# KiCad board HPM1500_DDR3_CORE_RevB.kicad_pcb (continued)
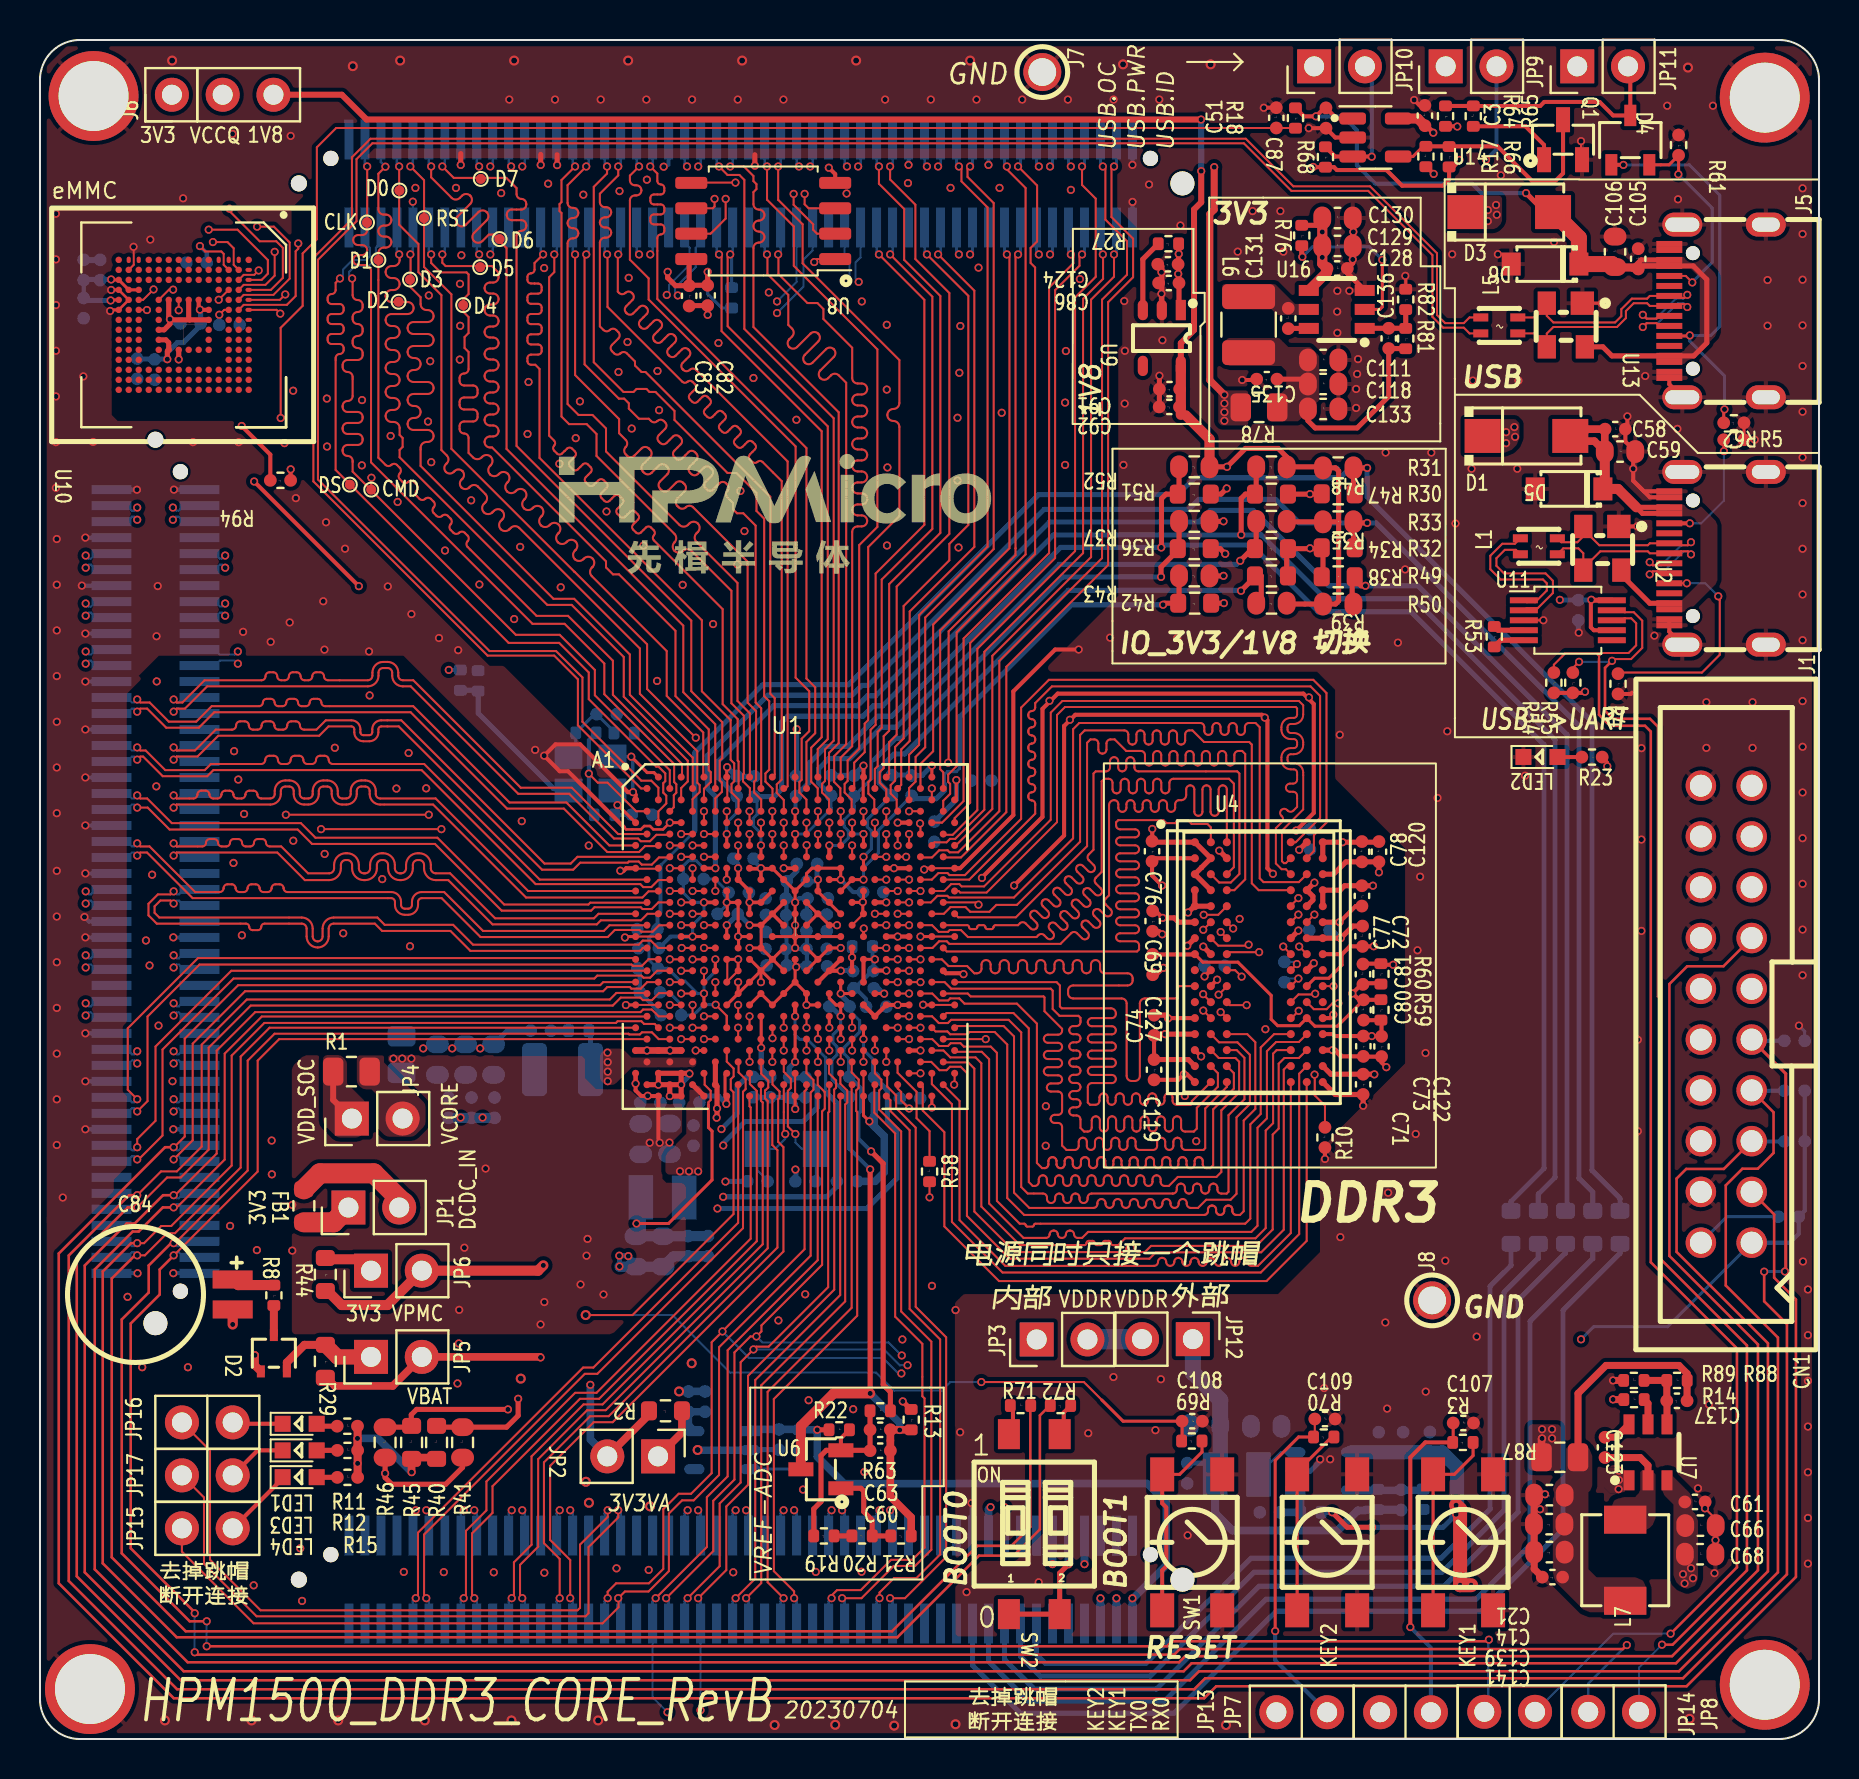
[diagram p0: board, top side]
## Routing (per net, layer and track width the routed paths; a pad name or vN(x,y) marks a point on that pad's centre or on a via; arc(x,y) is an arc through that point) (continued)
/Main/PA26: length 38.5
  Top w0.102: v2(31.5,39) U1.U5
  In2.Cu w0.102: v2(31.5,39) 31.44,39.07 28.66,39.07 28.25,39.48 20.37,39.48 17.71,42.14 15.39,42.14 14.99,42.54 14.04,42.54 arc(13.93,42.5) 13.89,42.39 arc(13.85,42.29) 13.74,42.24 13.49,42.24 arc(13.38,42.29) 13.34,42.39 13.34,42.69 arc(13.3,42.8) 13.19,42.84 12.94,42.84 arc(12.83,42.8) 12.79,42.69 12.79,42.39 arc(12.75,42.29) 12.64,42.24 12.39,42.24 arc(12.28,42.29) 12.24,42.39 12.24,42.69 arc(12.2,42.8) 12.09,42.84 11.84,42.84 arc(11.73,42.8) 11.69,42.69 11.69,42.39 arc(11.65,42.29) 11.54,42.24 11.29,42.24 arc(11.18,42.29) 11.14,42.39 11.14,42.69 arc(11.1,42.8) 10.99,42.84 10.74,42.84 arc(10.63,42.8) 10.59,42.69 10.59,42.39 arc(10.55,42.29) 10.44,42.24 10.19,42.24 arc(10.08,42.29) 10.04,42.39 10.04,42.69 arc(10,42.8) 9.89,42.84 9.64,42.84 arc(9.53,42.8) 9.49,42.69 9.49,42.39 arc(9.45,42.29) 9.34,42.24 9.09,42.24 arc(8.98,42.29) 8.94,42.39 arc(8.9,42.5) 8.79,42.54 8.08,42.54 6.38,40.84 5.15,40.84 2.9,38.6 v2(2.29,38.6)
  Bottom w0.102: v2(2.29,38.6) 2.44,38.75 2.55,38.75 2.8,38.5 J2.62
/Main/PA27: length 38.3
  Top w0.102: U1.U7 v2(32.65,39)
  In2.Cu w0.102: v2(2.29,39.21) 2.61,39.21 6.47,43.07 8.8,43.07 9.02,43.29 10.3,43.29 10.6,43.59 10.84,43.59 arc(10.95,43.63) 10.99,43.74 arc(11.03,43.85) 11.14,43.89 11.44,43.89 arc(11.55,43.85) 11.59,43.74 11.59,43.44 arc(11.63,43.33) 11.74,43.29 12.04,43.29 arc(12.15,43.33) 12.19,43.44 12.19,43.74 arc(12.23,43.85) 12.34,43.89 12.64,43.89 arc(12.75,43.85) 12.79,43.74 12.79,43.44 arc(12.83,43.33) 12.94,43.29 13.24,43.29 arc(13.35,43.33) 13.39,43.44 13.39,43.74 arc(13.43,43.85) 13.54,43.89 13.84,43.89 arc(13.95,43.85) 13.99,43.74 arc(14.03,43.63) 14.14,43.59 14.59,43.59 15.58,42.59 17.82,42.59 20.55,39.86 28.44,39.86 28.95,39.36 31.76,39.36 31.91,39.21 32.44,39.21 v2(32.65,39)
  Bottom w0.102: J2.60 2.8,39.3 2.55,39.05 2.44,39.05 v2(2.29,39.21)
/Main/PC0: length 58.1
  Top w0.102: v2(6.94,71.48) 6.94,71.48 U10.H5 ; U1.E3 30.94,46.41 31.33,46.8 31.33,47.19 31.18,47.35 31.18,47.82 31.28,47.92 31.28,48.31 30.94,48.64 30.83,48.64 27.45,52.02 27.45,53.36 25.97,54.84 23.44,54.84 14.79,63.49 14.79,69.09 arc(14.85,69.23) 14.99,69.29 arc(15.13,69.35) 15.19,69.49 15.19,69.59 arc(15.13,69.73) 14.99,69.79 14.59,69.79 arc(14.45,69.85) 14.39,69.99 14.39,70.09 arc(14.45,70.23) 14.59,70.29 14.99,70.29 arc(15.13,70.35) 15.19,70.49 15.19,70.59 arc(15.13,70.73) 14.99,70.79 14.59,70.79 arc(14.45,70.85) 14.39,70.99 14.39,71.09 arc(14.45,71.23) 14.59,71.29 14.99,71.29 arc(15.13,71.35) 15.19,71.49 15.19,71.59 arc(15.13,71.73) 14.99,71.79 14.59,71.79 arc(14.45,71.85) 14.39,71.99 14.39,72.09 arc(14.45,72.23) 14.59,72.29 arc(14.73,72.35) 14.79,72.49 14.79,72.85 v2(15.01,73.07)
  In2.Cu w0.102: v2(15.01,73.07) 11.9,73.07 11.73,72.9 11.73,72.84 arc(11.66,72.68) 11.51,72.61 11.21,72.61 arc(11.05,72.55) 10.98,72.39 arc(11.05,72.23) 11.21,72.16 11.51,72.16 arc(11.66,72.1) 11.73,71.94 arc(11.66,71.78) 11.51,71.71 11.21,71.71 arc(11.05,71.65) 10.98,71.49 arc(11.05,71.33) 11.21,71.26 11.51,71.26 arc(11.66,71.2) 11.73,71.04 11.73,70.84 11.43,70.54 10.95,70.54 arc(10.74,70.63) 10.65,70.85 arc(10.56,71.06) 10.34,71.15 arc(10.13,71.06) 10.04,70.85 arc(9.95,70.63) 9.73,70.54 9.59,70.54 9.45,70.68 9.45,71.37 9.17,71.65 8.66,71.65 8.41,71.9 7.36,71.9 v2(6.94,71.48)
  Bottom w0.102: J3.4 16.25,74.85 16.5,74.6 16.5,74.17 16.32,73.99 15.63,73.99 15.16,73.52 15.16,73.22 v2(15.01,73.07)
/Main/PC1: length 63.6
  Top w0.097: v2(5.68,72.52) 5.16,72 U10.M5
  Top w0.102: TRST10.1 16.57,63.09 v2(16.58,63.1) ; U1.B4 31.5,48.47 27.76,52.22 27.76,53.48 26,55.24 23.81,55.24 15.64,63.41 15.64,63.94 arc(15.57,64.12) 15.39,64.19 arc(15.21,64.26) 15.14,64.44 15.14,64.49 arc(15.21,64.67) 15.39,64.74 15.89,64.74 arc(16.07,64.81) 16.14,64.99 16.14,65.04 arc(16.07,65.22) 15.89,65.29 15.39,65.29 arc(15.21,65.36) 15.14,65.54 15.14,65.59 arc(15.21,65.77) 15.39,65.84 15.89,65.84 arc(16.07,65.91) 16.14,66.09 16.14,66.14 arc(16.07,66.32) 15.89,66.39 15.39,66.39 arc(15.21,66.46) 15.14,66.64 15.14,66.69 arc(15.21,66.87) 15.39,66.94 arc(15.57,67.01) 15.64,67.19 15.64,68.14 arc(15.57,68.32) 15.39,68.39 arc(15.21,68.46) 15.14,68.64 15.14,68.74 arc(15.21,68.92) 15.39,68.99 15.89,68.99 arc(16.07,69.06) 16.14,69.24 16.14,69.34 arc(16.07,69.52) 15.89,69.59 arc(15.71,69.66) 15.64,69.84 15.64,69.94 arc(15.71,70.12) 15.89,70.19 arc(16.07,70.26) 16.14,70.44 16.14,70.54 arc(16.07,70.72) 15.89,70.79 arc(15.71,70.86) 15.64,71.04 15.64,71.14 arc(15.71,71.32) 15.89,71.39 arc(16.07,71.46) 16.14,71.64 16.14,71.74 arc(16.07,71.92) 15.89,71.99 arc(15.71,72.06) 15.64,72.24 15.64,73.04 v2(15.61,73.07)
  Top w0.203: v2(12.54,63.52) 12.54,62.97 12.54,62.97
  In2.Cu w0.102: v2(16.58,63.1) 15.03,63.1 14.61,63.52 v2(12.54,63.52) ; v2(5.68,72.52) 6.18,72.02 6.84,72.02 7.12,72.3 7.12,72.8 7.36,73.04 7.51,73.04 arc(7.71,72.96) 7.79,72.76 7.79,72.61 arc(7.87,72.41) 8.07,72.33 arc(8.27,72.41) 8.35,72.61 8.35,72.76 arc(8.44,72.96) 8.63,73.04 arc(8.83,72.96) 8.92,72.76 8.92,72.61 arc(9,72.41) 9.2,72.33 arc(9.39,72.41) 9.48,72.61 9.48,72.76 arc(9.56,72.96) 9.76,73.04 arc(9.96,72.96) 10.04,72.76 10.04,72.61 arc(10.12,72.41) 10.32,72.33 arc(10.52,72.41) 10.6,72.61 10.6,72.76 arc(10.68,72.96) 10.88,73.04 11.26,73.04 11.66,73.44 15.24,73.44 v2(15.61,73.07)
  Bottom w0.102: v2(15.61,73.07) 15.46,73.22 15.46,73.4 15.76,73.69 16.44,73.69 16.8,74.05 16.8,74.6 17.05,74.85 J3.6
/Main/PC2: length 60.4
  Top w0.097: v2(5.35,71.49) 5.34,71.5 U10.M6
  Top w0.102: v2(16.37,78.67) 16.37,75.49 arc(16.29,75.31) 16.12,75.24 15.92,75.24 arc(15.74,75.17) 15.67,74.99 arc(15.74,74.81) 15.92,74.74 16.12,74.74 arc(16.29,74.67) 16.37,74.49 arc(16.29,74.31) 16.12,74.24 15.92,74.24 arc(15.74,74.17) 15.67,73.99 arc(15.74,73.81) 15.92,73.74 16.34,73.74 16.56,73.52 16.56,63.87 24.64,55.79 26.25,55.79 28.23,53.8 28.23,52.27 31.72,48.77 31.72,47.87 31.83,47.77 31.83,47.34 31.71,47.22 31.71,46.61 U1.D4
  In2.Cu w0.102: v2(16.37,78.67) 15.4,79.64 12.58,79.64 arc(12.4,79.57) 12.33,79.4 arc(12.26,79.23) 12.09,79.16 11.98,79.16 arc(11.8,79.23) 11.73,79.4 arc(11.66,79.57) 11.49,79.64 11.17,79.64 5.26,73.73 5.26,71.58 v2(5.35,71.49)
  Bottom w0.127: v2(16.37,78.67) 16.25,78.79 J3.3
/Main/PC3: length 60.6
  Top w0.102: 32.12,48.06 32.12,48.78 28.66,52.24 28.66,53.94 26.42,56.19 24.84,56.19 21.39,59.64 arc(21.33,59.78) 21.39,59.92 arc(21.45,60.06) 21.39,60.2 21.25,60.35 arc(21.11,60.4) 20.97,60.35 arc(20.83,60.29) 20.68,60.35 20.54,60.49 arc(20.48,60.63) 20.54,60.77 arc(20.6,60.91) 20.54,61.05 20.4,61.19 arc(20.26,61.25) 20.12,61.19 arc(19.98,61.14) 19.84,61.19 19.69,61.34 arc(19.64,61.48) 19.69,61.62 arc(19.75,61.76) 19.69,61.9 19.55,62.04 arc(19.41,62.1) 19.27,62.04 arc(19.13,61.98) 18.99,62.04 18.85,62.18 arc(18.79,62.33) 18.85,62.47 arc(18.9,62.61) 18.85,62.75 18.7,62.89 arc(18.56,62.95) 18.42,62.89 arc(18.28,62.83) 18.14,62.89 18,63.03 arc(17.94,63.17) 18,63.32 arc(18.06,63.46) 18,63.6 17.86,63.74 arc(17.71,63.8) 17.57,63.74 arc(17.43,63.68) 17.29,63.74 16.93,64.1 16.93,74.34 arc(17.01,74.53) 17.2,74.61 17.3,74.61 arc(17.5,74.7) 17.58,74.89 arc(17.5,75.08) 17.3,75.16 17.2,75.16 arc(17.01,75.25) 16.93,75.44 arc(17.01,75.63) 17.2,75.71 17.3,75.71 arc(17.5,75.8) 17.58,75.99 arc(17.5,76.18) 17.3,76.26 17.2,76.26 arc(17.01,76.35) 16.93,76.54 16.93,78.31 v2(17.28,78.66) ; v2(9.48,76.56) 9.48,76.44 10.99,74.93 11.82,74.93 12.15,74.6 12.15,73.1 11.55,72.5 U10.A4
  In2.Cu w0.102: v2(17.28,78.66) 17.28,78.57 15.81,77.1 12.48,77.1 arc(12.29,77.18) 12.21,77.37 12.21,77.43 arc(12.12,77.62) 11.93,77.7 arc(11.74,77.62) 11.66,77.43 11.66,77.37 arc(11.57,77.18) 11.38,77.1 arc(11.19,77.18) 11.11,77.37 11.11,77.43 arc(11.02,77.62) 10.83,77.7 arc(10.64,77.62) 10.56,77.43 10.56,77.37 arc(10.47,77.18) 10.28,77.1 10.02,77.1 v2(9.48,76.56)
  Bottom w0.127: v2(17.28,78.66) 17.05,78.89 J3.5
/Main/PC4: length 52.8
  Top w0.097: U10.A5 12,72 v2(12.27,72.27)
  Top w0.102: v2(17.97,74.27) 17.99,74.25 17.99,73.99 arc(17.9,73.78) 17.69,73.69 17.59,73.69 arc(17.38,73.6) 17.29,73.39 arc(17.38,73.18) 17.59,73.09 17.69,73.09 arc(17.9,73) 17.99,72.79 arc(17.9,72.58) 17.69,72.49 17.59,72.49 arc(17.38,72.4) 17.29,72.19 arc(17.38,71.98) 17.59,71.89 18.39,71.89 arc(18.6,71.8) 18.69,71.59 arc(18.6,71.38) 18.39,71.29 17.59,71.29 arc(17.38,71.2) 17.29,70.99 arc(17.38,70.78) 17.59,70.69 17.69,70.69 arc(17.9,70.6) 17.99,70.39 arc(17.9,70.18) 17.69,70.09 17.59,70.09 arc(17.38,70) 17.29,69.79 arc(17.38,69.58) 17.59,69.49 17.69,69.49 arc(17.9,69.4) 17.99,69.19 arc(17.9,68.98) 17.69,68.89 17.59,68.89 arc(17.38,68.8) 17.29,68.59 arc(17.38,68.38) 17.59,68.29 17.69,68.29 arc(17.9,68.2) 17.99,67.99 arc(17.9,67.78) 17.69,67.69 17.59,67.69 arc(17.38,67.6) 17.29,67.39 arc(17.38,67.18) 17.59,67.09 17.69,67.09 arc(17.9,67) 17.99,66.79 arc(17.9,66.58) 17.69,66.49 17.59,66.49 arc(17.38,66.4) 17.29,66.19 arc(17.38,65.98) 17.59,65.89 17.69,65.89 arc(17.9,65.8) 17.99,65.59 17.99,65.24 18.14,65.09 18.14,64.64 17.99,64.49 17.99,64.12 25.38,56.74 26.6,56.74 29.2,54.13 29.2,52.15 32.41,48.94 32.41,47.9 32.08,47.57 U1.C5
  In2.Cu w0.097: v2(17.97,74.27) 17.97,72.39 17.85,72.27 v2(12.27,72.27)
  Bottom w0.127: v2(17.97,74.27) 17.85,74.39 J3.8
/Main/PC5: length 57.7
  Top w0.097: 9.69,74.58 9.69,73.75
  Top w0.102: 32.66,47.53 32.66,49.09 29.51,52.24 29.51,54.26 26.72,57.04 25.69,57.04 19.04,63.69 19.04,64.59 arc(19.13,64.8) 19.34,64.89 19.39,64.89 arc(19.6,64.98) 19.69,65.19 arc(19.6,65.4) 19.39,65.49 18.69,65.49 arc(18.48,65.58) 18.39,65.79 arc(18.48,66) 18.69,66.09 18.74,66.09 arc(18.95,66.18) 19.04,66.39 arc(18.95,66.6) 18.74,66.69 18.69,66.69 arc(18.48,66.78) 18.39,66.99 arc(18.48,67.2) 18.69,67.29 19.39,67.29 arc(19.6,67.38) 19.69,67.59 arc(19.6,67.8) 19.39,67.89 18.69,67.89 arc(18.48,67.98) 18.39,68.19 arc(18.48,68.4) 18.69,68.49 18.74,68.49 arc(18.95,68.58) 19.04,68.79 arc(18.95,69) 18.74,69.09 18.69,69.09 arc(18.48,69.18) 18.39,69.39 arc(18.48,69.6) 18.69,69.69 19.39,69.69 arc(19.6,69.78) 19.69,69.99 arc(19.6,70.2) 19.39,70.29 18.69,70.29 arc(18.48,70.38) 18.39,70.59 arc(18.48,70.8) 18.69,70.89 19.39,70.89 arc(19.6,70.98) 19.69,71.19 arc(19.6,71.4) 19.39,71.49 19.34,71.49 arc(19.13,71.58) 19.04,71.79 19.04,72.13 18.54,72.63 18.54,74.26 v2(18.53,74.27) ; v2(8.65,74.89) 9.38,74.89 9.69,74.58 ; 9.69,73.75 U10.B2
  In2.Cu w0.102: v2(8.65,74.89) 8.93,75.17 11.61,75.17 11.92,75.48 13.13,75.48 13.63,75.98 16.59,75.98 17.22,76.61 18.35,76.61 v2(18.65,76.91)
  Bottom w0.102: J3.10 v2(18.65,76.91)
  Bottom w0.127: J3.10 18.65,74.39 v2(18.53,74.27)
/Main/PC6: length 60.5
  Top w0.102: U10.A3 11.09,73 11.4,73.31 11.4,73.99 9.88,75.51 v2(8.44,75.51) ; v2(17.97,78.67) 17.97,75.76 18.93,74.79 18.93,73.38 20.08,72.23 20.08,64.48 20.35,64.21 arc(20.43,64.02) 20.35,63.82 20.31,63.78 arc(20.23,63.58) 20.31,63.39 arc(20.5,63.31) 20.7,63.39 20.74,63.43 arc(20.94,63.52) 21.13,63.43 arc(21.21,63.24) 21.13,63.05 21.09,63 arc(21,62.81) 21.09,62.61 arc(21.28,62.53) 21.47,62.61 21.52,62.66 arc(21.71,62.74) 21.91,62.66 22.28,62.29 arc(22.37,62.08) 22.28,61.86 22.21,61.79 arc(22.12,61.58) 22.21,61.37 arc(22.42,61.28) 22.63,61.37 22.7,61.44 arc(22.91,61.53) 23.13,61.44 arc(23.21,61.23) 23.13,61.01 23.06,60.94 arc(22.97,60.73) 23.06,60.52 arc(23.27,60.43) 23.48,60.52 23.55,60.59 arc(23.76,60.68) 23.97,60.59 30.01,54.55 30.01,52.29 32.88,49.42 32.88,47.84 33,47.72 33,47.37 32.65,47.02 U1.D6
  In2.Cu w0.102: v2(8.44,75.51) 9.07,76.14 9.78,76.14 10.37,76.73 10.72,76.73 arc(10.9,76.66) 10.97,76.48 arc(11.04,76.3) 11.22,76.23 11.32,76.23 arc(11.5,76.3) 11.57,76.48 arc(11.64,76.66) 11.82,76.73 16.03,76.73 16.92,77.62 17.67,77.62 17.97,77.92 v2(17.97,78.67)
  Bottom w0.127: J3.7 17.85,78.79 v2(17.97,78.67)
/Main/PC7: length 57.5
  Top w0.097: U10.K5 6.45,72.51 v2(6.66,72.51)
  Top w0.102: U1.E7 v2(33.22,46.41) ; v2(18.53,78.67) 19.21,77.99 19.21,73.64 20.58,72.27 20.58,64.55 26.74,58.39 26.74,58.39 30.37,54.76 30.37,52.53 v2(32.81,50.09)
  In2.Cu w0.102: v2(33.22,46.41) 33.22,49.68 v2(32.81,50.09) ; v2(6.66,72.51) 6.66,74.54 10.56,78.44 15.78,78.44 15.93,78.29 16.54,78.29 16.8,78.55 16.8,78.89 17,79.09 18.11,79.09 v2(18.53,78.67)
  Bottom w0.127: v2(18.53,78.67) 18.65,78.79 J3.9
/Main/PC8: length 60.8
  Top w0.097: v2(10.94,73.47) 10.72,73.25 10.19,73.25 U10.B3
  Top w0.102: U1.A7 33.18,48.16 33.18,50.35 31.35,52.18 31.35,54.43 27.6,58.18 arc(27.52,58.39) 27.6,58.6 27.64,58.63 arc(27.73,58.85) 27.64,59.06 arc(27.43,59.15) 27.22,59.06 27.18,59.02 arc(26.97,58.94) 26.76,59.02 arc(26.67,59.24) 26.76,59.45 26.79,59.48 arc(26.88,59.7) 26.79,59.91 arc(26.58,60) 26.37,59.91 26.33,59.87 arc(26.12,59.78) 25.91,59.87 arc(25.82,60.08) 25.91,60.3 25.94,60.33 arc(26.03,60.54) 25.94,60.76 arc(25.73,60.84) 25.52,60.76 25.48,60.72 arc(25.27,60.63) 25.06,60.72 arc(24.97,60.93) 25.06,61.15 25.09,61.18 arc(25.18,61.39) 25.09,61.6 arc(24.88,61.69) 24.67,61.6 24.63,61.57 arc(24.42,61.48) 24.21,61.57 arc(24.12,61.78) 24.21,61.99 24.25,62.03 arc(24.33,62.24) 24.25,62.45 arc(24.03,62.54) 23.82,62.45 23.79,62.42 arc(23.57,62.33) 23.36,62.42 arc(23.27,62.63) 23.36,62.84 23.4,62.88 arc(23.49,63.09) 23.4,63.3 arc(23.19,63.39) 22.97,63.3 22.94,63.27 arc(22.73,63.18) 22.51,63.27 arc(22.43,63.48) 22.51,63.69 22.55,63.73 arc(22.64,63.94) 22.55,64.15 arc(22.34,64.24) 22.12,64.15 22.09,64.12 arc(21.88,64.03) 21.67,64.11 21.44,64.34 21.44,65.09 arc(21.37,65.25) 21.22,65.31 arc(21.06,65.38) 20.99,65.54 20.99,65.69 arc(21.06,65.85) 21.22,65.91 21.67,65.91 arc(21.82,65.98) 21.89,66.14 21.89,66.29 arc(21.82,66.45) 21.67,66.51 21.22,66.51 arc(21.06,66.58) 20.99,66.74 20.99,66.89 arc(21.06,67.05) 21.22,67.11 21.67,67.11 arc(21.82,67.18) 21.89,67.34 21.89,67.49 arc(21.82,67.65) 21.67,67.71 21.22,67.71 arc(21.06,67.78) 20.99,67.94 20.99,68.09 arc(21.06,68.25) 21.22,68.31 arc(21.37,68.38) 21.44,68.54 21.44,69.39 21.24,69.59 21.24,70.14 21.44,70.34 21.44,71.14 21.19,71.39 21.19,72.04 21.44,72.29 21.44,73.27 21.34,73.37 20.04,73.37 19.57,73.85 v2(19.57,74.27)
  In2.Cu w0.097: v2(10.94,73.47) 10.28,73.47 10.08,73.67 9.03,73.67 8.86,73.84 8.86,74.36 9.05,74.55 10.81,74.55 11.52,73.84 15.83,73.84 16.06,73.61 16.06,73.03 16.34,72.75 17.29,72.75 17.46,72.92 17.46,74.42 17.71,74.67 19.17,74.67 v2(19.57,74.27)
  Bottom w0.127: v2(19.57,74.27) 19.45,74.39 J3.12
/Main/PC9: length 60.5
  Top w0.097: U10.B4 10.19,72.75 11.28,72.75 11.74,73.21 v2(11.74,74.4)
  Top w0.102: U1.C7 33.22,47.54 33.56,47.88 33.56,48.37 33.46,48.47 33.46,50.51 31.79,52.18 31.79,55.44 28.97,58.26 28.67,58.26 28.31,58.61 28.31,58.91 22.62,64.61 22.52,64.61 arc(22.32,64.7) 22.24,64.89 arc(22.32,65.08) 22.52,65.16 22.67,65.16 arc(22.86,65.25) 22.94,65.44 arc(22.86,65.63) 22.67,65.71 22.52,65.71 arc(22.32,65.8) 22.24,65.99 arc(22.32,66.18) 22.52,66.26 22.67,66.26 arc(22.86,66.35) 22.94,66.54 arc(22.86,66.73) 22.67,66.81 22.52,66.81 arc(22.32,66.9) 22.24,67.09 arc(22.32,67.28) 22.52,67.36 22.67,67.36 arc(22.86,67.45) 22.94,67.64 arc(22.86,67.83) 22.67,67.91 22.52,67.91 arc(22.32,68) 22.24,68.19 arc(22.32,68.38) 22.52,68.46 22.67,68.46 arc(22.86,68.55) 22.94,68.74 arc(22.86,68.93) 22.67,69.01 22.52,69.01 arc(22.32,69.1) 22.24,69.29 arc(22.32,69.48) 22.52,69.56 22.67,69.56 arc(22.86,69.65) 22.94,69.84 arc(22.86,70.03) 22.67,70.11 22.52,70.11 arc(22.32,70.2) 22.24,70.39 arc(22.32,70.58) 22.52,70.66 22.67,70.66 arc(22.86,70.75) 22.94,70.94 arc(22.86,71.13) 22.67,71.21 22.52,71.21 arc(22.32,71.3) 22.24,71.49 arc(22.32,71.68) 22.52,71.76 22.67,71.76 arc(22.86,71.85) 22.94,72.04 arc(22.86,72.23) 22.67,72.31 22.52,72.31 arc(22.32,72.4) 22.24,72.59 arc(22.32,72.78) 22.52,72.86 22.67,72.86 arc(22.86,72.95) 22.94,73.14 22.94,73.36 22.61,73.69 20.29,73.69 20.13,73.85 v2(20.13,74.27)
  In2.Cu w0.097: v2(11.74,74.4) 14.66,74.4 arc(14.86,74.48) 14.94,74.68 arc(15.02,74.87) 15.22,74.96 15.42,74.96 arc(15.62,74.87) 15.7,74.68 arc(15.78,74.48) 15.98,74.4 16.44,74.4 17.08,75.04 18.87,75.04 19.1,75.26 arc(19.27,75.34) 19.45,75.26 arc(19.63,75.19) 19.81,75.27 19.88,75.33 arc(19.95,75.51) 19.88,75.69 arc(19.8,75.87) 19.88,76.05 20.1,76.27 21.1,76.27 21.31,76.06 21.31,75.47 20.13,74.29 v2(20.13,74.27)
  Bottom w0.127: v2(20.13,74.27) 20.25,74.39 J3.14
/Main/PC10: length 60.5
  Top w0.097: 12.43,74.93 12.49,74.87 12.49,73.06 11.68,72.25 10.19,72.25 U10.B5
  Top w0.102: 12.43,74.93 11.7,75.66 v2(10.86,75.66) ; 33.78,47.53 33.78,50.77 32.18,52.37 32.18,55.7 23.34,64.54 23.34,74.59 22.67,75.26 22.45,75.26 22.13,74.94 arc(21.92,74.85) 21.72,74.94 arc(21.63,75.14) 21.72,75.35 22.35,75.98 arc(22.43,76.18) 22.35,76.39 arc(22.14,76.47) 21.93,76.39 21.31,75.76 arc(21.1,75.68) 20.9,75.76 arc(20.81,75.97) 20.9,76.17 21.52,76.8 arc(21.61,77.01) 21.52,77.21 arc(21.32,77.3) 21.11,77.21 21,77.1 arc(20.8,77.02) 20.59,77.1 19.57,78.13 v2(19.57,78.67)
  In2.Cu w0.102: v2(19.57,78.67) 19.22,78.67 17.75,77.2 17.24,77.2 16.42,76.38 13.41,76.38 arc(13.25,76.32) 13.19,76.16 arc(13.12,76.01) 12.97,75.94 12.81,75.94 arc(12.65,76.01) 12.59,76.16 arc(12.52,76.32) 12.37,76.38 12.14,76.38 11.42,75.66 v2(10.86,75.66)
  Bottom w0.127: J3.11 19.45,78.79 v2(19.57,78.67)
/Main/PC11: length 60.5
  Top w0.097: 12.35,71.75 10.19,71.75 U10.B6
  Top w0.102: v2(12.92,74.82) 12.92,74.56 12.79,74.43 12.79,72.19 12.35,71.75 ; U1.D8 33.78,47.06 34.11,47.39 34.11,47.86 34,47.96 34,48.94 34.13,49.07 34.13,50.87 32.58,52.42 32.58,55.95 23.84,64.69 23.84,75.21 arc(23.91,75.38) 24.08,75.45 arc(24.25,75.53) 24.33,75.7 24.33,75.74 arc(24.25,75.91) 24.08,75.99 23.6,75.99 arc(23.43,76.06) 23.36,76.23 23.36,76.27 arc(23.43,76.45) 23.6,76.52 24.08,76.52 arc(24.25,76.59) 24.33,76.76 24.33,76.8 arc(24.25,76.98) 24.08,77.05 arc(23.91,77.12) 23.84,77.29 23.84,77.59 23.33,78.1 20.7,78.1 v2(20.13,78.67)
  In2.Cu w0.102: v2(12.92,74.82) 13.58,75.48 13.79,75.48 arc(13.88,75.44) 13.92,75.35 arc(13.96,75.26) 14.05,75.22 14.45,75.22 arc(14.54,75.26) 14.58,75.35 arc(14.62,75.44) 14.71,75.48 16.81,75.48 arc(17.08,75.59) 17.19,75.85 arc(17.29,76.12) 17.56,76.23 17.57,76.23 arc(17.84,76.12) 17.95,75.85 arc(18.06,75.59) 18.32,75.48 18.7,75.48 18.95,75.72 arc(19,75.85) 18.95,75.97 arc(18.89,76.09) 18.95,76.22 19.13,76.4 arc(19.26,76.45) 19.38,76.4 arc(19.5,76.35) 19.62,76.4 20.13,76.91 v2(20.13,78.67)
  Bottom w0.127: J3.13 20.25,78.79 v2(20.13,78.67)
/Main/PC12: length 41.6
  Top w0.102: v2(34.36,46.41) U1.E9
  In2.Cu w0.102: v2(34.36,46.41) 33.63,47.14 33.63,52.12 22.39,63.36 21.6,63.36 21.5,63.46 21.5,63.72 arc(21.58,63.91) 21.77,63.99 arc(21.97,64.07) 22.05,64.27 22.05,64.27 arc(21.97,64.46) 21.77,64.54 21.5,64.54 21.5,64.54 21.22,64.54 arc(21.03,64.62) 20.95,64.82 20.95,64.82 arc(21.03,65.01) 21.22,65.09 21.77,65.09 arc(21.97,65.17) 22.05,65.37 22.05,65.37 arc(21.97,65.56) 21.77,65.64 21.22,65.64 arc(21.03,65.72) 20.95,65.92 20.95,65.92 arc(21.03,66.11) 21.22,66.19 21.77,66.19 arc(21.97,66.27) 22.05,66.47 22.05,66.47 arc(21.97,66.66) 21.77,66.74 21.22,66.74 arc(21.03,66.82) 20.95,67.02 20.95,67.02 arc(21.03,67.21) 21.22,67.29 21.77,67.29 arc(21.97,67.37) 22.05,67.57 22.05,67.57 arc(21.97,67.76) 21.77,67.84 arc(21.58,67.92) 21.5,68.12 21.5,73.8 21.7,74 v2(21.97,74.27)
  Bottom w0.127: v2(21.97,74.27) 21.85,74.39 J3.18
/Main/PC13: length 41.6
  Top w0.102: v2(34.93,45.84) U1.F10
  In2.Cu w0.102: v2(34.93,45.84) 34.78,45.98 34.78,46.62 33.98,47.43 33.98,49.01 34.49,49.52 34.49,51.95 22.74,63.7 22.74,67.99 arc(22.66,68.18) 22.47,68.26 22.22,68.26 arc(22.02,68.35) 21.94,68.54 arc(22.02,68.73) 22.22,68.81 22.47,68.81 arc(22.66,68.9) 22.74,69.09 arc(22.66,69.28) 22.47,69.36 22.22,69.36 arc(22.02,69.45) 21.94,69.64 arc(22.02,69.83) 22.22,69.91 22.47,69.91 arc(22.66,70) 22.74,70.19 arc(22.66,70.38) 22.47,70.46 22.22,70.46 arc(22.02,70.55) 21.94,70.74 arc(22.02,70.93) 22.22,71.01 22.47,71.01 arc(22.66,71.1) 22.74,71.29 arc(22.66,71.48) 22.47,71.56 22.22,71.56 arc(22.02,71.65) 21.94,71.84 arc(22.02,72.03) 22.22,72.11 22.47,72.11 arc(22.66,72.2) 22.74,72.39 arc(22.66,72.58) 22.47,72.66 22.22,72.66 arc(22.02,72.75) 21.94,72.94 arc(22.02,73.13) 22.22,73.21 22.47,73.21 arc(22.66,73.3) 22.74,73.49 22.74,73.85 22.53,74.06 v2(22.53,74.27)
  Bottom w0.127: J3.20 22.65,74.39 v2(22.53,74.27)
/Main/PC14: length 41.6
  Top w0.102: U1.H10 v2(34.93,44.7)
  In2.Cu w0.102: v2(21.97,78.67) 21.99,78.65 21.99,76.69 23.19,75.49 23.19,63.86 35.08,51.97 35.08,46.3 35.3,46.07 35.3,45.66 34.93,45.28 v2(34.93,44.7)
  Bottom w0.127: J3.17 21.85,78.79 v2(21.97,78.67)
/Main/PC15: length 41.7
  Top w0.102: U1.E11 v2(35.5,46.41)
  In2.Cu w0.102: v2(35.5,46.41) 35.5,46.9 35.38,47.02 35.38,52.09 23.64,63.84 23.64,68.59 arc(23.73,68.8) 23.94,68.89 arc(24.15,68.98) 24.24,69.19 arc(24.15,69.4) 23.94,69.49 arc(23.73,69.58) 23.64,69.79 arc(23.73,70) 23.94,70.09 arc(24.15,70.18) 24.24,70.39 arc(24.15,70.6) 23.94,70.69 arc(23.73,70.78) 23.64,70.99 arc(23.73,71.2) 23.94,71.29 arc(24.15,71.38) 24.24,71.59 arc(24.15,71.8) 23.94,71.89 arc(23.73,71.98) 23.64,72.19 23.64,75.79 22.54,76.89 22.54,78.66 v2(22.53,78.67)
  Bottom w0.127: J3.19 22.65,78.79 v2(22.53,78.67)
/Main/PC16: length 41.6
  Top w0.102: v2(35.5,45.27) U1.G11
  In2.Cu w0.102: v2(35.5,45.27) 35.66,45.44 35.66,45.99 35.87,46.2 35.87,47.22 35.7,47.38 35.7,52.59 25.4,62.9 25.4,69.04 arc(25.31,69.25) 25.1,69.34 24.95,69.34 arc(24.74,69.43) 24.65,69.64 arc(24.74,69.85) 24.95,69.94 25.1,69.94 arc(25.31,70.03) 25.4,70.24 25.4,71.93 24.24,73.09 24.24,77.17 23.59,77.82 23.59,78.65 v2(23.57,78.67)
  Bottom w0.127: v2(23.57,78.67) 23.45,78.79 J3.21
/Main/PC17: length 41.6
  Top w0.102: v2(36.06,45.84) U1.F12
  In2.Cu w0.102: v2(36.06,45.84) 36.14,45.92 36.14,47.38 36.01,47.51 36.01,52.72 26.39,62.34 26.39,69.74 arc(26.46,69.92) 26.64,69.99 26.74,69.99 arc(26.92,70.06) 26.99,70.24 arc(26.92,70.42) 26.74,70.49 26.04,70.49 arc(25.86,70.56) 25.79,70.74 arc(25.86,70.92) 26.04,70.99 26.14,70.99 arc(26.32,71.06) 26.39,71.24 26.39,71.59 24.69,73.29 24.69,77.44 24.14,77.99 24.14,78.66 v2(24.13,78.67)
  Bottom w0.127: J3.23 24.25,78.79 v2(24.13,78.67)
/Main/PC18: length 38.7
  Top w0.102: 34.95,47.5 34.95,48.9 34.9,48.95 34.9,51.02 34.15,51.77 34.15,56.53 30.71,59.97 arc(30.66,60.09) 30.71,60.22 arc(30.76,60.34) 30.71,60.47 30.56,60.61 arc(30.44,60.66) 30.31,60.61 30.06,60.36 arc(29.94,60.31) 29.81,60.36 29.67,60.51 arc(29.62,60.63) 29.67,60.76 29.92,61.01 arc(29.97,61.13) 29.92,61.26 29.77,61.4 arc(29.65,61.45) 29.52,61.4 29.27,61.15 arc(29.15,61.1) 29.02,61.15 28.88,61.3 arc(28.83,61.42) 28.88,61.55 29.13,61.8 arc(29.18,61.92) 29.13,62.05 28.99,62.19 arc(28.86,62.24) 28.73,62.19 28.48,61.94 arc(28.36,61.89) 28.23,61.94 28.09,62.08 arc(28.04,62.21) 28.09,62.33 28.34,62.58 arc(28.39,62.71) 28.34,62.83 28.2,62.98 arc(28.07,63.03) 27.95,62.98 27.7,62.73 arc(27.57,62.68) 27.45,62.73 27.3,62.87 arc(27.25,63) 27.3,63.12 27.55,63.37 arc(27.6,63.5) 27.55,63.62 27.41,63.77 arc(27.28,63.82) 27.16,63.77 26.91,63.52 arc(26.78,63.47) 26.66,63.52 26.51,63.66 arc(26.46,63.79) 26.51,63.91 26.76,64.16 arc(26.81,64.29) 26.76,64.41 26.62,64.56 arc(26.49,64.61) 26.37,64.56 26.24,64.43 26.24,64.44 26.11,64.31 arc(25.99,64.26) 25.86,64.31 25.72,64.45 arc(25.67,64.58) 25.72,64.7 arc(25.77,64.83) 25.72,64.95 25.47,65.2 25.47,73.13 25.73,73.39 v2(25.73,74.27)
  Bottom w0.127: v2(25.73,74.27) 25.85,74.39 J3.28
/Main/PC19: length 38.8
  Top w0.102: v2(25.17,74.27) 24.74,73.84 24.74,73.5 arc(24.69,73.38) 24.56,73.33 arc(24.44,73.27) 24.38,73.15 24.38,73 arc(24.44,72.87) 24.56,72.82 24.74,72.82 24.74,72.82 24.92,72.82 arc(25.04,72.76) 25.1,72.64 25.1,72.49 arc(25.04,72.36) 24.92,72.31 24.56,72.31 arc(24.44,72.26) 24.38,72.13 24.38,71.98 arc(24.44,71.85) 24.56,71.8 24.92,71.8 arc(25.04,71.75) 25.1,71.62 25.1,71.47 arc(25.04,71.34) 24.92,71.29 24.56,71.29 arc(24.44,71.24) 24.38,71.11 24.38,70.96 arc(24.44,70.84) 24.56,70.78 24.92,70.78 arc(25.04,70.73) 25.1,70.61 25.1,70.45 arc(25.04,70.33) 24.92,70.28 24.56,70.28 arc(24.44,70.22) 24.38,70.1 24.38,69.95 arc(24.44,69.82) 24.56,69.77 24.92,69.77 arc(25.04,69.72) 25.1,69.59 25.1,69.44 arc(25.04,69.31) 24.92,69.26 24.56,69.26 arc(24.44,69.21) 24.38,69.08 24.38,68.93 arc(24.44,68.8) 24.56,68.75 24.78,68.75 24.99,68.54 24.99,64.09 33.11,55.97 33.11,52.41 34.55,50.97 34.55,48.99 34.73,48.81 34.73,47.91 34.59,47.78 34.59,47.35 34.95,47 34.95,46.37
  Bottom w0.127: J3.26 25.05,74.39 v2(25.17,74.27)
/Main/PC20: length 38.8
  Top w0.102: 35.51,48.06 35.51,51.31 34.89,51.93 34.89,57.84 32.84,59.89 arc(32.75,60.1) 32.84,60.32 32.91,60.39 arc(33,60.6) 32.91,60.81 arc(32.7,60.9) 32.48,60.81 32.41,60.74 arc(32.2,60.65) 31.99,60.74 28.32,64.41 28.32,65.56 27.64,66.24 26.94,66.24 26.39,66.79 26.39,74.82 arc(26.47,75) 26.65,75.08 26.68,75.08 arc(26.86,75.15) 26.93,75.33 arc(26.86,75.51) 26.68,75.58 26.65,75.58 arc(26.47,75.66) 26.39,75.84 arc(26.47,76.02) 26.65,76.09 26.68,76.09 arc(26.86,76.17) 26.93,76.35 arc(26.86,76.53) 26.68,76.6 26.65,76.6 arc(26.47,76.67) 26.39,76.85 26.39,77.74 v2(27.33,78.67)
  Bottom w0.127: J3.31 27.45,78.79 v2(27.33,78.67)
/Main/PC21: length 38.6
  Top w0.102: v2(26.77,78.67) 26.09,77.99 26.09,76.89 25.99,76.79 25.99,76.44 26.09,76.34 26.09,66.16 26.47,65.78 27.35,65.78 27.84,65.29 27.84,64.19 31.74,60.29 arc(31.83,60.08) 31.74,59.87 arc(31.65,59.65) 31.74,59.44 arc(31.95,59.35) 32.16,59.44 arc(32.38,59.53) 32.59,59.44 34.59,57.44 34.59,51.82 35.21,51.19 35.21,48.3 35.17,48.26 35.17,47.91 35.51,47.57 35.51,46.93